# Allegro board ADRV9371-W_Layout_RevB.brd
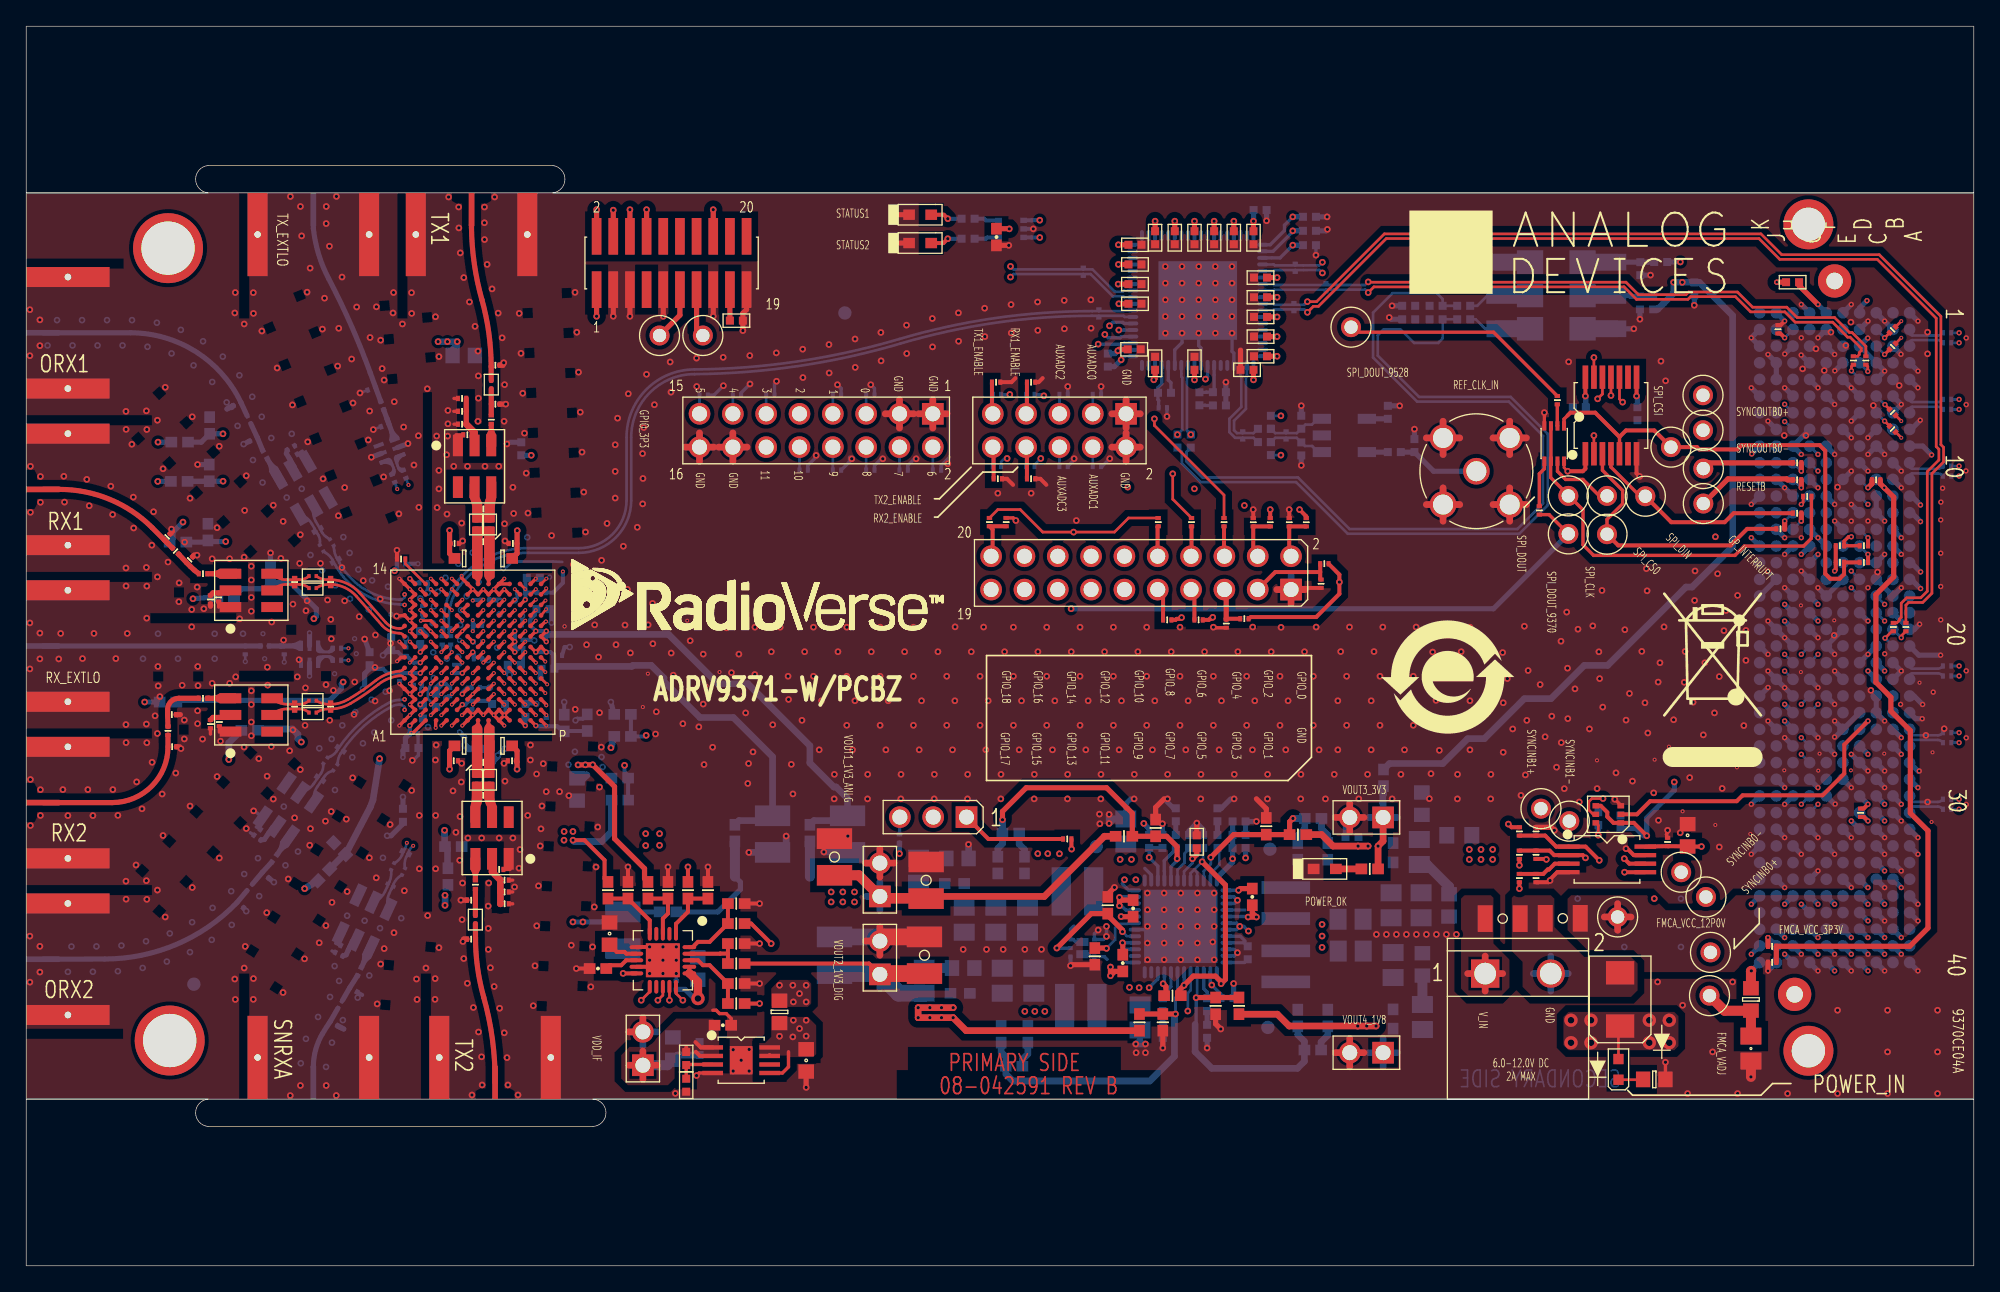
[diagram p0: board, top side]
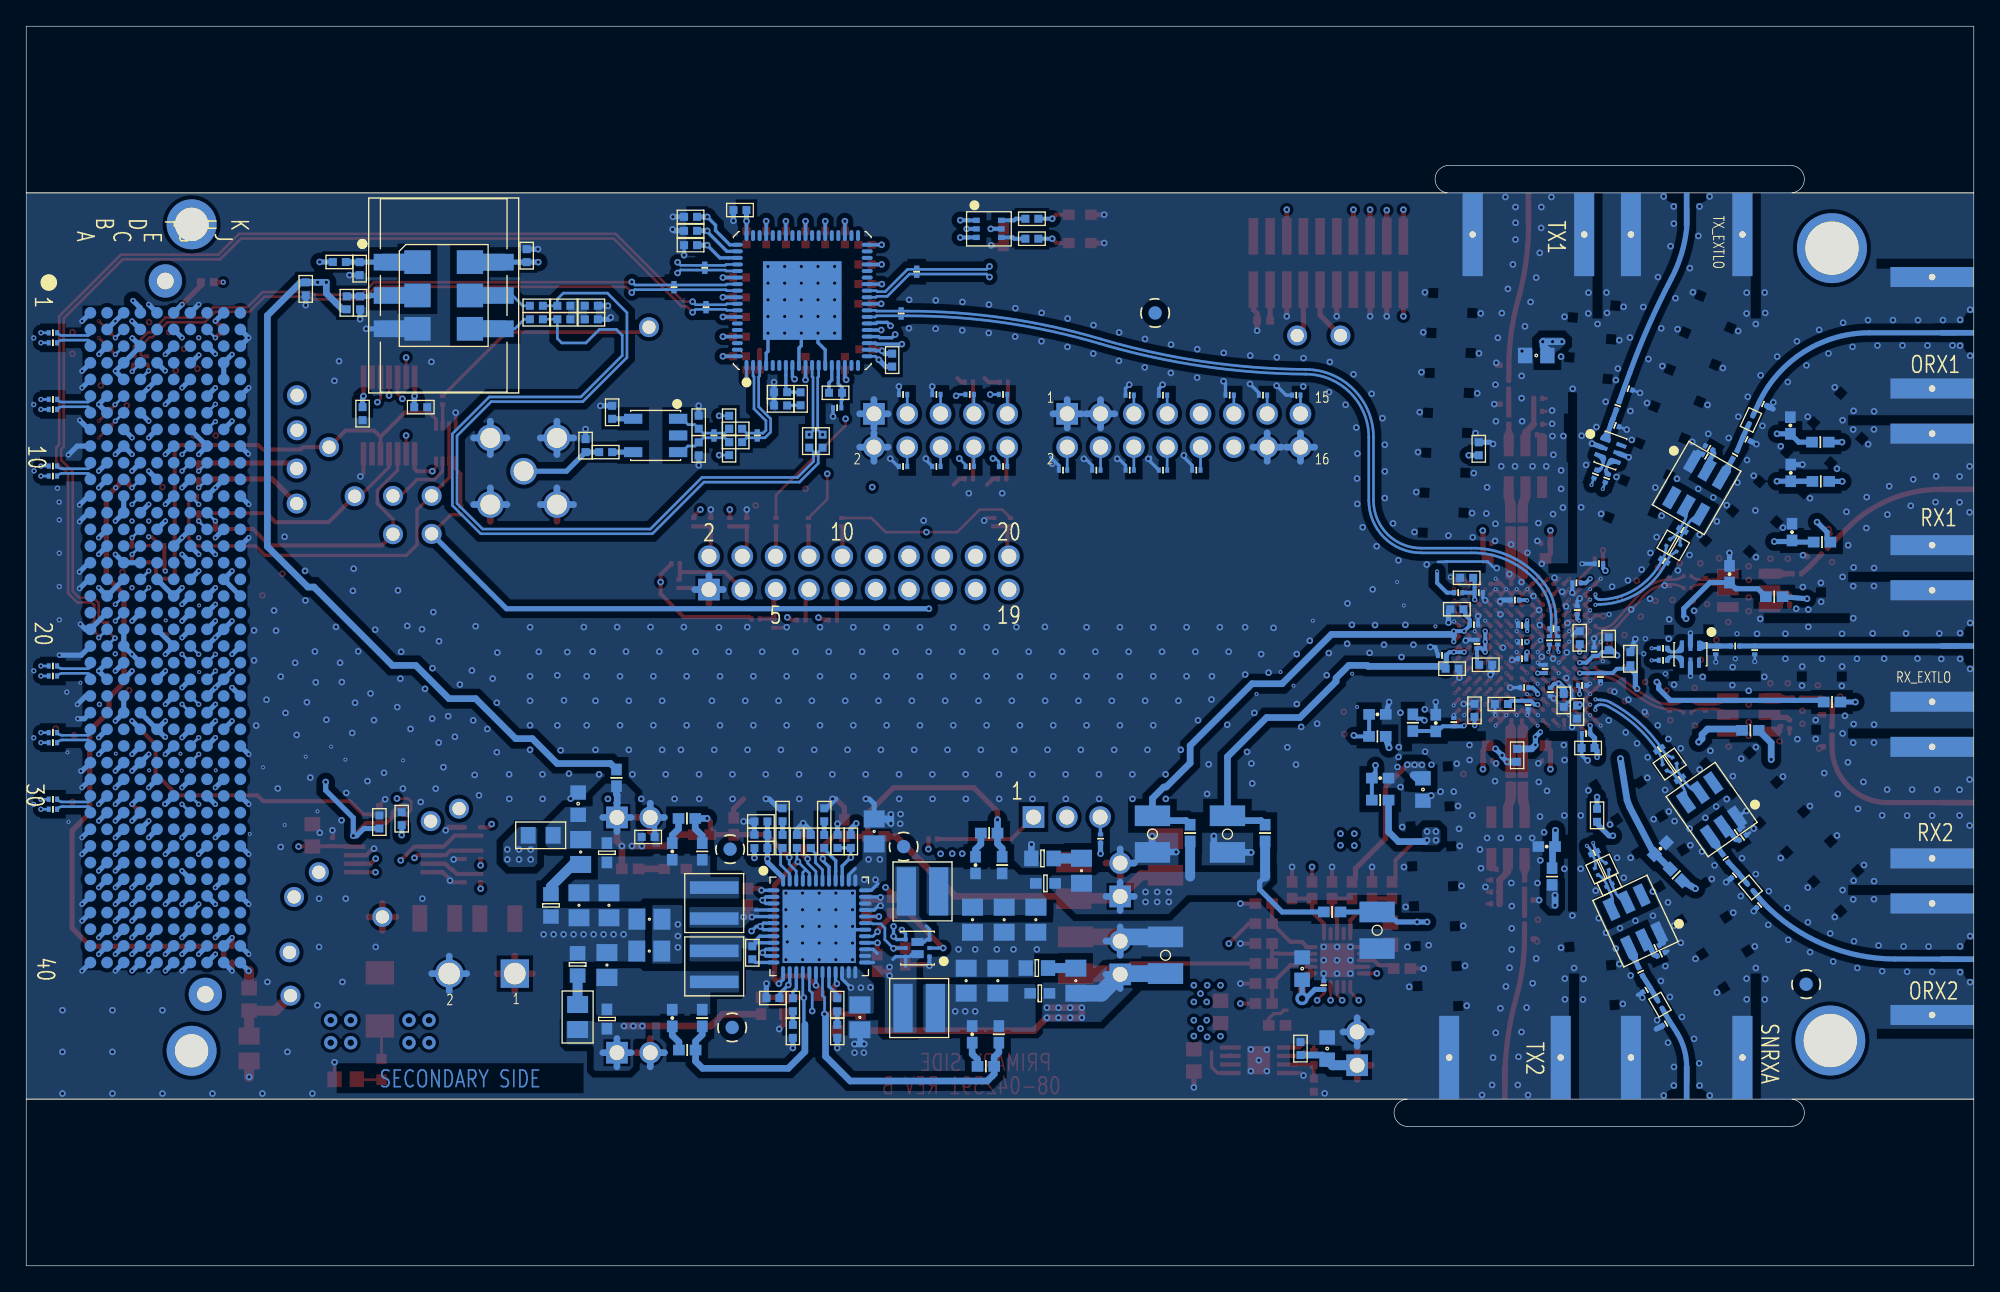
[diagram p1: board, bottom side, seen from below]

Outline 148.44 x 94.49 mm; copper layers: TOP, L2_GND, L3_PWR, L4_GND, L5_SIG, L6_GND, L7_SIG, L8_SIG, L9_GND, L10_SIG, L11_GND, L12_PWR, L13_GND, BOTTOM. Coordinates in mm from the lower left corner of the outline.
Outline path: 0,81.79 0,94.49 148.44,94.49 148.44,81.79 ; 0,81.79 0,12.7 ; 0,81.79 13.85,81.79 arc(12.91,82.83) 13.85,83.87 40.14,83.87 arc(41.06,82.83) 40.14,81.79 148.44,81.79 ; 0,81.79 148.44,81.79 ; 0,12.7 0,0 148.44,0 148.44,12.7 ; 0,12.7 148.44,12.7 ; 0,12.7 13.85,12.7 arc(12.91,11.66) 13.85,10.62 43.19,10.62 arc(44.19,11.66) 43.19,12.7 148.44,12.7 ; 148.44,12.7 148.44,81.79

## Design rules (mm)
net group DIFFPAIR0: nets SERDOUT0+ SERDOUT0-
net group DIFFPAIR1: nets SERDOUT1+ SERDOUT1-
net group DIFFPAIR2: nets SERDOUT3+ SERDOUT3-
net group DIFFPAIR3: nets SERDIN3+ SERDIN3-
net group DIFFPAIR4: nets SERDIN0+ SERDIN0-
net group DIFFPAIR5: nets SERDIN2+ SERDIN2-
net group DIFFPAIR13: nets SERDOUT2+ SERDOUT2-
net group DIFFPAIR15: nets SERDIN1+ SERDIN1-
net group DIFFPAIR16: nets TX_EXTLO+ TX_EXTLO-
net group DIFFPAIR17: nets ORX1+ ORX1-
net group DIFFPAIR18: nets RX1+ RX1-
net group DIFFPAIR19: nets RX2+ RX2-
net group DIFFPAIR20: nets ORX2+ ORX2-
net group DIFFPAIR22: nets RX_EXTLO+ RX_EXTLO-
net group DIFFPAIR24: nets DEV_CLK_IN+ DEV_CLK_IN-
net group DIFFPAIR26: nets GPIO_16 GPIO_17
net group DIFFPAIR27: nets GPIO_13 GPIO_14
net group DIFFPAIR28: nets GPIO_11 GPIO_12
net group DIFFPAIR29: nets GPIO_9 GPIO_10
net group DIFFPAIR30: nets GPIO_8 GPIO_15
net group DIFFPAIR36: nets SYNCOUTB0+ SYNCOUTB0-
net group DIFFPAIR37: nets SYNCINB0+ SYNCINB0-
net group DIFFPAIR38: nets SYNCINB1+ SYNCINB1-
net group DIFFPAIR56: nets SYSREF_IN+ SYSREF_IN-
net group DIFFPAIR59: nets CLK+ CLK-
net group DIFFPAIR61: nets UNNAMED_9_CAP_I337_N1 UNNAMED_9_CAP_I338_N1
net group DIFFPAIR62: nets SNRXA+ SNRXA-
net group DIFFPAIR63: nets FPGA_SYSREF+ FPGA_SYSREF-
net group DIFFPAIR64: nets UNNAMED_6_AD9370V2_I832_SERDI_3 UNNAMED_6_AD9370V2_I832_SERDIN2
net group DIFFPAIR65: nets UNNAMED_6_AD9370V2_I832_SERDI_1 UNNAMED_6_AD9370V2_I832_SERDIN0
net group DIFFPAIR66: nets UNNAMED_6_AD9370V2_I832_SERDI_4 UNNAMED_6_AD9370V2_I832_SERDIN3
net group DIFFPAIR67: nets UNNAMED_6_AD9370V2_I832_SERDI_2 UNNAMED_6_AD9370V2_I832_SERDIN1
net group DIFFPAIR68: nets UNNAMED_6_AD9370V2_I832_SERDO_1 UNNAMED_6_AD9370V2_I832_SERDOUT
net group DIFFPAIR69: nets UNNAMED_6_AD9370V2_I832_SERDO_4 UNNAMED_6_AD9370V2_I832_SERDO_5
net group DIFFPAIR70: nets UNNAMED_6_AD9370V2_I832_SERDO_2 UNNAMED_6_AD9370V2_I832_SERDO_3
net group DIFFPAIR71: nets UNNAMED_6_AD9370V2_I832_SERDO_6 UNNAMED_6_AD9370V2_I832_SERDO_7
net group DIFFPAIR72: nets VCXO_IN+ VCXO_IN-
net group DIFFPAIR73: nets UNNAMED_5_CAP_I916_N1 UNNAMED_5_RES_I897_N2
net group DIFFPAIR74: nets FPGA_REF_CLK+ FPGA_REF_CLK-
net group DIFFPAIR75: nets DIR_CLK+ DIR_CLK-
net group DIFFPAIR76: nets FPGA_AUX_CLK+ FPGA_AUX_CLK-
net group DIFFPAIR77: nets UNNAMED_3_CAP_I109_N1 UNNAMED_3_CAP_I109_N2
net group DIFFPAIR80: nets UNNAMED_3_CAP_I188_N1 UNNAMED_3_CAP_I188_N2
net group DIFFPAIR81: nets UNNAMED_3_CAP_I141_N1 UNNAMED_3_CAP_I141_N2
nets with their own width: min track width 0.254; nets AGND

## Placement (name value [footprint] x y rotation side)
C200  TBD0201  [C0201]  10.74 55.57 45 top
C202  TBD0201  [C0201]  12.45 53.82 45 top
C203  10pF  [C0201]  14.04 50.78 90 top
C204  TBD0201  [C0201]  20.46 52.12 90 top
C207  0.3PF  [C0201]  23.2 52.12 270 top
C208  TBD0201  [C0201]  11.12 39.57 0 top
C211  TBD0201  [C0201]  11.09 42.01 0 top
C212  10pF  [C0201]  14.04 41.29 270 top
C213  TBD0201  [C0201]  20.46 42.62 90 top
C216  0.3PF  [C0201]  23.2 42.62 90 top
C217  0.9PF  [C0201]  23.45 18.46 330 bottom
C219  1PF  [C0201]  24.93 21.03 330 bottom
C220  10pF  [C0201]  23.84 23.75 155 bottom
C224  TBD0201  [C0201]  28.92 31.48 155 bottom
C225  0.20PF  [C0201]  16.07 65.69 205 bottom
C227  TBD0201  [C0201]  17.32 63 205 bottom
C228  10pF  [C0201]  20.17 62.34 30 bottom
C229  0.20PF  [C0201]  22.21 56.09 210 bottom
C232  0.20PF  [C0201]  23.6 53.74 210 bottom
C233  0.20PF  [C0201]  16.31 27.49 320 bottom
C235  TBD0201  [C0201]  18.22 29.77 320 bottom
C236  10pF  [C0201]  17.62 32.63 145 bottom
C237  0.20PF  [C0201]  22.39 37.12 325 bottom
C240  0.20PF  [C0201]  23.97 39.37 325 bottom
C241  220PF  [C0201]  13.47 43.26 0 top
C242  220PF  [C0201]  25.39 22.42 65 bottom
C243  220PF  [C0201]  18.2 61.83 300 bottom
C244  220PF  [C0201]  18.91 31.06 55 bottom
C245  220PF  [C0201]  13.47 52.75 0 top
C246  82PF  [C0201]  14.66 50.95 90 top
C247  82PF  [C0201]  14.72 41.45 90 top
C248  82PF  [C0201]  20.37 61.7 210 bottom
C249  82PF  [C0201]  18.12 33.07 325 bottom
C250  82PF  [C0201]  24.27 24.28 335 bottom
C303  TBD0201  [C0201]  34.85 57.69 0 top
C304  TBD0201  [C0201]  34.83 35.86 180 top
C305  220PF  [C0201]  35.44 64.5 90 top
C306  220PF  [C0201]  34.23 29.05 270 top
C307  0.01UF  [C0201]  32.65 55.06 0 top
C308  0.01UF  [C0201]  37.09 55.06 180 top
C311  0.20PF  [C0201]  34.84 55.19 0 top
C312  3PF  [C0201]  33.22 65.13 0 top
C313  1.4PF  [C0201]  33.22 66.12 0 top
C314  3PF  [C0201]  36.46 28.49 180 top
C315  0.01UF  [C0201]  37.03 38.49 180 top
C316  0.01UF  [C0201]  32.58 38.49 0 top
C319  0.20PF  [C0201]  34.84 38.36 180 top
C320  10UF  [C0603]  33.35 69.39 0 bottom
C321  43PF  [C0201]  33.22 64.15 0 top
C322  1.4PF  [C0201]  36.46 27.59 180 top
C323  0.20PF  [C0201]  35.76 65.68 0 top
C324  0.20PF  [C0201]  35.76 68.65 0 top
C325  10UF  [C0603]  41.98 36.31 270 bottom
C326  43PF  [C0201]  36.46 29.4 180 top
C328  0.20PF  [C0201]  33.92 27.87 180 top
C329  0.20PF  [C0201]  33.92 24.9 180 top
C330  TBD0201  [C0201]  16.69 46.93 270 bottom
C331  TBD0201  [C0201]  19.67 46.93 270 bottom
C332  100pF  [C0201]  23.68 47.07 0 bottom
C333  100pF  [C0201]  23.68 46.15 0 bottom
C334  TBD0201  [C0201]  26.33 66.86 200 bottom
C335  TBD0201  [C0201]  27.34 64.07 200 bottom
C336  100pF  [C0201]  28.84 60.34 290 bottom
C337  100pF  [C0201]  27.98 60.03 290 bottom
C338  51PF  [C0201]  33.63 63.34 0 top
C339  51PF  [C0201]  36.05 30.21 180 top
C401  0.1UF  [C0402#2]  104.28 62.02 180 bottom
C402  0.1UF  [C0402#2]  94.37 63.8 180 bottom
C403  0.1UF  [C0402#2]  94.37 62.79 180 bottom
C404  0.33uF  [C0402#2]  123.02 76.01 270 bottom
C405  0.1UF  [C0402#2]  110.3 77 270 bottom
C406  0.1UF  [C0402#2]  105.37 73.18 0 bottom
C407  0.1UF  [C0402#2]  94.87 62.29 270 bottom
C408  0.1UF  [C0402#2]  88.76 62.86 90 bottom
C409  0.1UF  [C0402#2]  94.87 64.3 90 bottom
C410  180pF  [C0402#2]  90.94 66.59 180 bottom
C411  1uF  [C0402#2]  90.94 65.58 180 bottom
C412  1000pF  [C0402#2]  86.76 66.55 0 bottom
C413  0.47uF  [C0201]  86.63 65.4 0 bottom
C414  0.1UF  [C0402]  73.95 78.42 90 top
C415  0.1UF  [C0402#2]  121.52 33.83 270 bottom
C416  0.1UF  [C0402#2]  119.82 34.08 270 bottom
C417  0.1UF  [C0402#2]  122.81 64.96 90 bottom
C418  0.1UF  [C0402#2]  118.37 65.45 0 bottom
C419  0.1UF  [C0402]  53.1 18.33 180 top
C420  1uF  [C0402#2]  94.04 80.48 0 bottom
C421  0.1UF  [C0402#2]  84.51 77.83 180 top
C422  0.1UF  [C0402#2]  84.51 76.33 180 top
C423  0.1UF  [C0402#2]  84.51 74.83 180 top
C424  0.1UF  [C0402#2]  84.51 73.33 180 top
C425  0.1UF  [C0402#2]  84.45 69.86 180 top
C426  0.1UF  [C0402#2]  86.04 68.79 270 top
C427  0.1UF  [C0402#2]  89.04 68.79 270 top
C428  0.1UF  [C0402#2]  93.04 68.3 0 top
C429  0.1UF  [C0402#2]  94.08 69.33 0 top
C430  0.1UF  [C0402#2]  94.08 70.83 0 top
C431  0.1UF  [C0402#2]  94.08 72.33 0 top
C432  0.1UF  [C0402#2]  94.08 73.83 0 top
C433  0.1UF  [C0402#2]  94.08 75.33 0 top
C434  0.1UF  [C0402#2]  93.54 78.36 90 top
C435  0.1UF  [C0402#2]  92.04 78.36 90 top
C436  0.1UF  [C0402#2]  90.54 78.36 90 top
C437  0.1UF  [C0402#2]  89.04 78.36 90 top
C438  0.1UF  [C0402#2]  87.54 78.36 90 top
C439  0.1UF  [C0402#2]  86.04 78.36 90 top
C501  0.1uF  [C0201]  31.71 47.67 270 bottom
C502  0.1uF  [C0201]  32.34 47.67 270 bottom
C503  0.1uF  [C0201]  79.07 60.93 0 bottom
C504  0.1uF  [C0201]  79.07 66.42 0 bottom
C505  0.1uF  [C0201]  81.61 60.93 0 bottom
C506  0.1uF  [C0201]  81.61 66.42 0 bottom
C507  0.1uF  [C0201]  146.41 39.88 0 bottom
C508  0.1uF  [C0201]  146.41 40.64 0 bottom
C509  0.1uF  [C0201]  142.25 70.07 45 top
C510  0.1uF  [C0201]  142.25 71.34 45 top
C511  0.1uF  [C0201]  146.41 34.8 0 bottom
C512  0.1uF  [C0201]  146.41 35.56 0 bottom
C513  0.1uF  [C0201]  146.41 44.96 0 bottom
C514  0.1uF  [C0201]  146.41 45.72 0 bottom
C515  0.1uF  [C0201]  146.41 70.36 0 bottom
C516  0.1uF  [C0201]  146.41 71.12 0 bottom
C517  0.1uF  [C0201]  146.41 65.28 0 bottom
C518  0.1uF  [C0201]  146.41 66.04 0 bottom
C519  0.1uF  [C0201]  142.25 63.78 315 top
C520  0.1uF  [C0201]  142.25 65.05 315 top
C521  0.1uF  [C0201]  146.41 60.2 0 bottom
C522  0.1uF  [C0201]  146.41 60.96 0 bottom
C523  0.1uF  [C0201]  64.33 66.37 0 bottom
C524  0.1uF  [C0201]  61.79 66.37 0 bottom
C525  0.1uF  [C0201]  56.71 66.37 0 bottom
C526  0.1uF  [C0201]  54.17 66.37 0 bottom
C527  0.1uF  [C0201]  51.63 66.37 0 bottom
C528  0.1uF  [C0201]  69.41 60.65 0 bottom
C529  0.1uF  [C0201]  66.87 60.65 0 bottom
C530  0.1uF  [C0201]  64.33 60.65 0 bottom
C531  0.1uF  [C0201]  61.79 60.65 0 bottom
C532  0.1uF  [C0201]  59.25 60.65 0 bottom
C601  100UF  [C1210]  68.59 29.38 90 top
C602  100UF  [C1210]  61.6 31.16 90 top
C603  1uF  [C0402#2]  29.4 39.47 0 bottom
C604  1uF  [C0402#2]  31.25 43.1 270 bottom
C605  0.1uF  [C0201]  29.55 40.56 0 bottom
C606  0.1uF  [C0201]  32.27 43.73 270 bottom
C608  100UF  [C1210]  45.48 25.57 270 bottom
C609  1uF  [C0402#2]  36 42.82 0 bottom
C610  0.1uF  [C0201]  33.97 42.74 270 bottom
C611  100UF  [C1210]  56.88 32.91 270 bottom
C612  1uF  [C0402#2]  39.76 45.51 180 bottom
C613  0.1uF  [C0201]  40.52 46.53 0 bottom
C614  1uF  [C0402]  32.55 31.96 0 bottom
C615  0.1uF  [C0201]  34.26 44.07 0 bottom
C616  1uF  [C0402]  41 41.37 90 bottom
C617  0.1uF  [C0201]  39.63 41.44 90 bottom
C618  1uF  [C0402]  45.45 42.03 180 bottom
C619  0.1uF  [C0201]  32.66 45.5 90 bottom
C620  1uF  [C0402#2]  26.17 46.27 90 bottom
C621  0.1uF  [C0201]  28.46 44.88 270 bottom
C622  1uF  [C0402]  45.24 37.17 180 bottom
C623  0.1uF  [C0201]  34.43 47.54 0 bottom
C624  1uF  [C0402#2]  27.82 47.42 90 bottom
C625  0.1uF  [C0201]  28.94 46.81 90 bottom
C626  1uF  [C0402]  18.62 52.72 90 bottom
C627  0.1uF  [C0201]  34.43 46.27 0 bottom
C628  1uF  [C0402]  23.89 31.8 135 bottom
C629  0.1uF  [C0201]  29.85 44.24 180 bottom
C630  1uF  [C0402]  13.95 60.44 90 bottom
C631  0.1uF  [C0201]  34.43 48.81 0 bottom
C632  1uF  [C0402]  13.85 55.93 90 bottom
C633  0.1uF  [C0201]  28.56 53.51 0 bottom
C634  1uF  [C0402]  13.98 64.05 90 bottom
C635  0.1uF  [C0201]  34.98 50.75 0 bottom
C636  1uF  [C0402#2]  37.2 45.82 180 bottom
C637  0.1uF  [C0201]  37.86 47.4 90 bottom
C638  100UF  [C1210]  68.46 23.67 90 top
C639  100UF  [C1210]  61.6 23.67 90 bottom
C640  0.1uF  [C0201]  30.22 49.98 90 bottom
C641  0.1uF  [C0201]  30.28 52.05 0 bottom
C642  0.01UF  [C0201]  37.73 51.31 180 bottom
C643  1uF  [C0402#2]  38.65 52.44 0 bottom
C644  1uF  [C0402#2]  38.06 42.34 90 bottom
C645  1uF  [C0402#2]  30.03 47.88 90 bottom
C646  1uF  [C0402#2]  30.24 42.21 270 bottom
C647  1uF  [C0402#2]  37.73 62.28 90 bottom
C648  10UF  [C0603]  51.19 22.65 90 bottom
C649  0.1uF  [C0201]  49.54 21.38 90 bottom
C650  10UF  [C0603]  44.46 25.32 90 top
C651  1uF  [C0402]  43.58 22.66 180 top
C652  100UF  [C1210]  62.6 32.91 270 bottom
C653  1uF  [C0402#2]  39.4 50.05 0 bottom
C654  0.1uF  [C0201]  38.1 48.86 180 bottom
C701  10uF  [C0805H60]  83.81 33.11 90 bottom
C702  1uF  [C0402#2]  89.7 32.35 270 bottom
C703  1uF  [C0402#2]  89.22 32.32 270 top
C704  2700PF  [C0402#2]  87.62 34.38 270 bottom
C705  10uF  [C0805H60]  84.9 18.94 270 bottom
C706  2700PF  [C0402#2]  86.63 17.87 90 bottom
C707  10uF  [C0805H60]  100.94 26.42 0 bottom
C708  3300pF  [C0402#2]  90.79 34.38 270 bottom
C709  10uF  [C0805H60]  100.95 23.99 0 bottom
C710  3300pF  [C0402#2]  90 17.87 90 bottom
C711  TBD0402  [C0402#2]  91.53 20.41 180 bottom
C712  TBD0402  [C0402#2]  92.44 33.87 180 bottom
C713  0.1UF  [C0402]  84.37 27.24 90 top
C714  0.01UF  [C0402]  76.09 30.54 270 bottom
C715  0.1UF  [C0402]  83.58 23.08 90 top
C716  0.01UF  [C0402]  76.34 17.64 90 bottom
C717  0.1UF  [C0402]  93.45 28.12 270 top
C718  0.01UF  [C0402]  99.2 31.58 270 bottom
C719  0.1UF  [C0402#2]  93.1 23.86 90 bottom
C720  0.01UF  [C0402]  99.2 18.88 90 bottom
C721  47uF  [C0805H60]  76.31 26.38 270 bottom
C722  47uF  [C0805H60]  73.9 26.38 270 bottom
C723  47uF  [C0805H60]  71.49 26.38 270 bottom
C724  47uF  [C0805H60]  68.01 30.11 90 bottom
C725  47uF  [C0805H60]  76.8 21.73 90 bottom
C726  47uF  [C0805H60]  74.38 21.73 90 bottom
C727  47uF  [C0805H60]  68.44 21.73 90 bottom
C728  47uF  [C0805H60]  104.02 27.48 270 bottom
C729  47uF  [C0805H60]  106.18 31.54 270 bottom
C730  47uF  [C0805H60]  104.18 22.92 90 bottom
C731  22UF  [C0805H53]  106.41 18.96 90 bottom
C732  47uF  [C0805H60]  131.45 16.56 270 top
C733  4.7uF  [C0603]  59.45 15.66 90 top
C734  4.7uF  [C0603]  49.29 16.56 270 bottom
C735  0.01UF  [C0402#2]  51.32 16.56 270 bottom
C736  10UF  [C0603]  106.37 35.23 90 bottom
C737  0.01UF  [C0402#2]  101.04 32.69 0 bottom
C738  0.1UF  [C0402#2]  127.14 74.47 90 bottom
C739  47uF  [C0805H60]  106.31 27.48 270 bottom
C801  0.01UF  [C0201]  143.27 48.69 90 top
C802  0.01UF  [C0201]  142.31 48.69 90 top
C803  0.1uF  [C0201]  125.1 32.3 270 top
C804  10UF  [C0603]  126.63 32.81 90 top
C805  0.01UF  [C0201]  140.22 69.01 270 top
C806  0.01UF  [C0201]  139.26 69.01 270 top
CR701  S2A-TP  [DO214AA3]  121.48 20.3 90 top
D401  SML-E12M8WT86  [LED0603_A]  68.13 77.96 0 top
D402  SML-E12M8WT86  [LED0603_A]  68.13 80.12 0 top
DS701  LNJ912W8CRA1 (blue)  [LED0603-2]  121.36 14.97 90 top
DS702  SML-E12M8WT86  [LED0603_A]  98.97 30.25 0 top
E601  30OHM  [L0402]  54.01 32.98 90 bottom
E602  30OHM  [L0402]  32.14 29.67 90 bottom
E603  30OHM  [L0402]  42.76 41.4 270 bottom
E604  47OHM AT 100MHZ  [L0402]  45.45 40.35 0 bottom
E605  30OHM  [L0402]  17.03 40.81 0 bottom
E606  47OHM AT 100MHZ  [L0402]  45.24 35.5 0 bottom
E607  30OHM  [L0402]  10.8 42.97 0 bottom
E608  47OHM AT 100MHZ  [L0402]  15.21 51 0 bottom
E609  30OHM  [L0402]  22.68 29.8 45 bottom
E610  30OHM  [L0402]  11.66 59.79 0 bottom
E611  47OHM AT 100MHZ  [L0402]  11.57 55.16 0 bottom
E612  30OHM  [L0402]  11.69 62.78 0 bottom
E613  30OHM  [L0402]  59.73 32.98 90 bottom
E701  120OHM  [L0603#3]  70.75 29.15 180 bottom
E702  470OHM  [L0603#3]  71.18 20.76 180 bottom
E703  470OHM  [L0603#3]  104.18 31.48 90 bottom
E704  470OHM  [L0603#3]  104.18 18.81 270 bottom
E705  39OHM  [L0805]  109.23 32.81 0 bottom
E706  30OHM  [L0402]  103.45 37.19 90 bottom
F701  2A  [F1206]  117.11 26.48 180 top
F702  2A  [F1206]  112.53 26.46 0 top
J200  132255-11  [CNAMPHENOL132255-11]  0.76 59.18 180 top
J201  132255-11  [CNAMPHENOL132255-11]  0.76 35.31 180 top
J202  132255-11  [CNAMPHENOL132255-11]  21.88 13.46 270 bottom
J203  132255-11  [CNAMPHENOL132255-11]  0.76 71.12 180 bottom
J204  132255-11  [CNAMPHENOL132255-11]  0.76 23.37 180 bottom
J305  132255-11  [CNAMPHENOL132255-11]  33.94 81.03 90 top
J306  132255-11  [CNAMPHENOL132255-11]  35.73 13.46 270 top
J307  132255-11  [CNAMPHENOL132255-11]  0.76 47.24 180 bottom
J308  132255-11  [CNAMPHENOL132255-11]  21.88 81.03 90 bottom
J401  142-0701-201  [CNJOHNSON142-0701-201]  110.53 60.57 0 top
L205  0.6NH  [L0201H13]  21.83 51.66 180 top
L206  0.6NH  [L0201H13]  21.83 52.57 180 top
L214  0.6NH  [L0201H13]  21.83 42.17 180 top
L215  0.6NH  [L0201H13]  21.83 43.08 180 top
L218  1NH  [L0201H13]  23.92 19.91 240 bottom
L221  75NH  [L0201H13]  27.77 29.01 155 bottom
L222  3.3NH  [L0201H13]  28.76 30.05 245 bottom
L223  3.3NH  [L0201H13]  27.93 30.43 245 bottom
L226  0.8NH  [L0201H13]  16.98 64.48 115 bottom
L230  0.7NH  [L0201H13]  23.29 55.13 120 bottom
L231  0.7NH  [L0201H13]  22.51 54.7 120 bottom
L234  0.8NH  [L0201H13]  17.03 28.84 230 bottom
L238  0.7NH  [L0201H13]  22.8 38.51 235 bottom
L239  0.7NH  [L0201H13]  23.55 37.98 235 bottom
L301  0.7NH  [L0201H13]  35.44 67.17 270 top
L302  0.7NH  [L0201H13]  34.23 26.39 90 top
L307  43NH  [L0603]  33.38 53.92 180 top
L308  43NH  [L0603#2]  36.3 53.92 180 top
L309  0.7NH  [L0201H13]  34.32 56.5 270 top
L310  0.7NH  [L0201H13]  35.3 56.5 270 top
L315  43NH  [L0603]  36.3 39.63 0 top
L316  43NH  [L0603#2]  33.38 39.63 0 top
L317  0.7NH  [L0201H13]  35.3 37.05 90 top
L318  0.7NH  [L0201H13]  34.32 37.05 90 top
L700  2.2uH  [LSMSQ157H83]  80.12 28.54 180 bottom
L701  2.2uH  [LSMSQ157H83]  80.38 19.65 180 bottom
L702  6.8uH  [LSMSQ157H122]  96 27.65 90 bottom
L703  6.8uH  [LSMSQ157H122]  96 22.82 270 bottom
NOREF  -  []  -140.27 -270.64 0 top
NOREF#2  -  [unnamed#2]  10.93 17.17 0 top
NOREF#3  -  [unnamed#3]  135.84 16.39 0 top
NOREF#4  -  []  148.44 12.7 0 top
NOREF#5  -  [unnamed#2]  10.81 77.57 0 top
NOREF#6  -  []  250.38 231.5 0 top
NOREF#7  -  []  280.93 -28.02 0 top
NOREF#8  -  []  148.44 12.7 90 top
NOREF#9  -  []  154.73 149.81 0 top
NOREF#10  -  []  0 0 90 top
NOREF#11  -  []  -140.27 -270.64 0 top
NOREF#12  -  []  0 0 90 top
NOREF#13  -  []  43.34 10.64 0 top
NOREF#14  -  []  100.91 127.05 0 top
NOREF#15  -  []  137.8 54.91 0 top
NOREF#16  -  []  108.34 44.88 0 top
NOREF#17  -  []  -96.05 -6.87 0 top
NOREF#18  -  []  65.26 103.22 0 top
NOREF#19  -  []  148.44 81.79 0 top
NOREF#20  -  []  0 81.79 0 top
NOREF#21  -  []  -140.27 -270.64 0 top
NOREF#22  -  [unnamed#3]  135.84 79.39 0 top
NOREF#23  -  []  105.42 74.09 180 bottom
NOREF#24  -  [unnamed#4]  94.79 31.76 0 bottom
NOREF#25  -  [unnamed#4]  81.56 31.95 0 bottom
NOREF#26  -  [unnamed#4]  12.78 21.46 0 bottom
NOREF#27  -  [unnamed#4]  94.63 18.17 0 bottom
NOREF#28  -  [unnamed#4]  62.4 72.63 90 bottom
P501  TSW-105-08-G-D  [CNSAMTEC2X5H338LD36]  83.83 64.94 180 top
P502  PEC10DAAN  [CNBERGF2X10H335LD32]  96.4 51.55 180 top
P503  TSW-108-08-G-D-ST  [CNSAMTECTSW-108-08-G-D-ST]  69.1 64.94 180 top
P504  FTSH-110-01-L-DV-K  [CNHDR2X10H251]  49.19 76.44 0 top
P701  Z5.530.3225.0  [CNWIELAND3225]  111.2 22.27 0 top
P702  SAMTECTSW10608GS3PIN  [CNBERG1X3H205LD36]  71.67 34.2 180 top
P703  TSW-102-08-G-S  [CNSAMTEC1X2H330LD36]  65.06 28.16 90 top
P704  TSW-102-08-G-S  [CNSAMTEC1X2H330LD36]  65.06 22.21 90 top
P705  TSW-102-08-G-S  [CNSAMTEC1X2H330LD36]  103.42 34.18 180 top
P706  TSW-102-08-G-S  [CNSAMTEC1X2H330LD36]  103.42 16.24 180 top
P707  TSW-102-08-G-S  [CNSAMTEC1X2H330LD36]  47 15.29 90 top
P801  ASP-134488-01  [CNSAMTECASP-134488-01]  143.55 72.64 270 bottom
Q701  SIA906EDJ-T1-GE3  [POWERPAKSC70-6]  80.51 24.22 90 bottom
R201  0  [R0201]  11.38 54.48 315 top
R209  0  [R0201]  10.8 40.78 90 top
R312  0  [R0201]  18.18 47.24 0 bottom
R313  0  [R0201]  27.13 65.57 290 bottom
R401  49.9  [R0402#2]  105.81 62.52 270 bottom
R402  0  [R0402#2]  103.78 65.06 270 bottom
R403  24.9  [R0402#2]  97.18 64.3 270 bottom
R404  24.9  [R0402#2]  97.18 62.27 270 bottom
R405  100  [R0201]  96.02 63.29 270 bottom
R406  100  [R0201]  92.72 63.29 270 bottom
R407  0  [R0402#2]  124.57 76.52 180 bottom
R408  0  [R0402#2]  124.01 73.41 270 bottom
R409  0  [R0402#2]  122.99 73.41 90 bottom
R410  0  [R0402#2]  109.56 72.15 180 bottom
R411  0  [R0402#2]  109.56 73.18 180 bottom
R412  49.9  [R0402#2]  107.46 72.15 0 bottom
R413  0  [R0402#2]  107.46 73.18 180 bottom
R414  0  [R0402#2]  87.74 62.86 90 bottom
R415  10.2K  [R0402#2]  89.42 66.09 90 bottom
R416  10K  [R0402#2]  82.44 69.04 270 bottom
R417  10K  [R0402#2]  97.8 77.8 180 bottom
R418  10K  [R0402#2]  97.8 79.96 0 bottom
R419  10K  [R0402#2]  97.8 78.89 0 bottom
R420  200  [R0402#2]  71.79 78.29 180 bottom
R421  200  [R0402#2]  71.79 79.82 180 bottom
R422  100  [R0201]  96.63 73.07 270 bottom
R423  100  [R0201]  96.72 76.08 90 bottom
R424  100  [R0201]  80.57 75.77 270 bottom
R425  100  [R0201]  81.75 72.59 90 bottom
R426  0  [R0201]  116.7 65.99 90 top
R427  0  [R0201]  115.33 57.58 270 top
R428  0  [R0402#2]  105.37 72.15 180 bottom
R429  100  [R0201]  99.07 74.6 270 bottom
R501  100  [R0201]  32.03 48.56 0 bottom
R502  10K  [R0201]  39.29 51.31 0 bottom
R503  10K  [R0201]  133.07 24.35 0 top
R504  1K  [R0201]  133.07 23.13 180 top
R505  14.3K  [R0201]  28.57 53.88 0 top
R506  10K  [R0201]  74.05 59.99 0 top
R507  10K  [R0201]  73.92 67.36 0 top
R508  10K  [R0201]  76.59 67.36 0 top
R509  10K  [R0201]  76.59 59.99 0 top
R510  10K  [R0201]  92.85 49.32 180 top
R511  10K  [R0201]  94.81 56.68 270 top
R512  10K  [R0201]  98.94 53.51 180 top
R513  10K  [R0201]  97.56 56.68 270 top
R514  10K  [R0201]  91.46 48.95 270 top
R515  10K  [R0201]  93.52 56.68 90 top
R516  10K  [R0201]  98.69 51.99 270 top
R517  10K  [R0201]  96.26 56.68 90 top